# Altium PCB ISS_PCB.PcbDoc (part 1 of 4)
Units mm, origin at the board's own origin, x right, y up, seen from the top; angles counter-clockwise.
Board outline 90 x 90 mm, 4 copper layers (Signal+Parts, Power, GND, Signal), stack 1.591 mm thick; 230 components, 176 nets, 945 pads, 541 vias.
Unrouted connection lines stored in the file: 132.
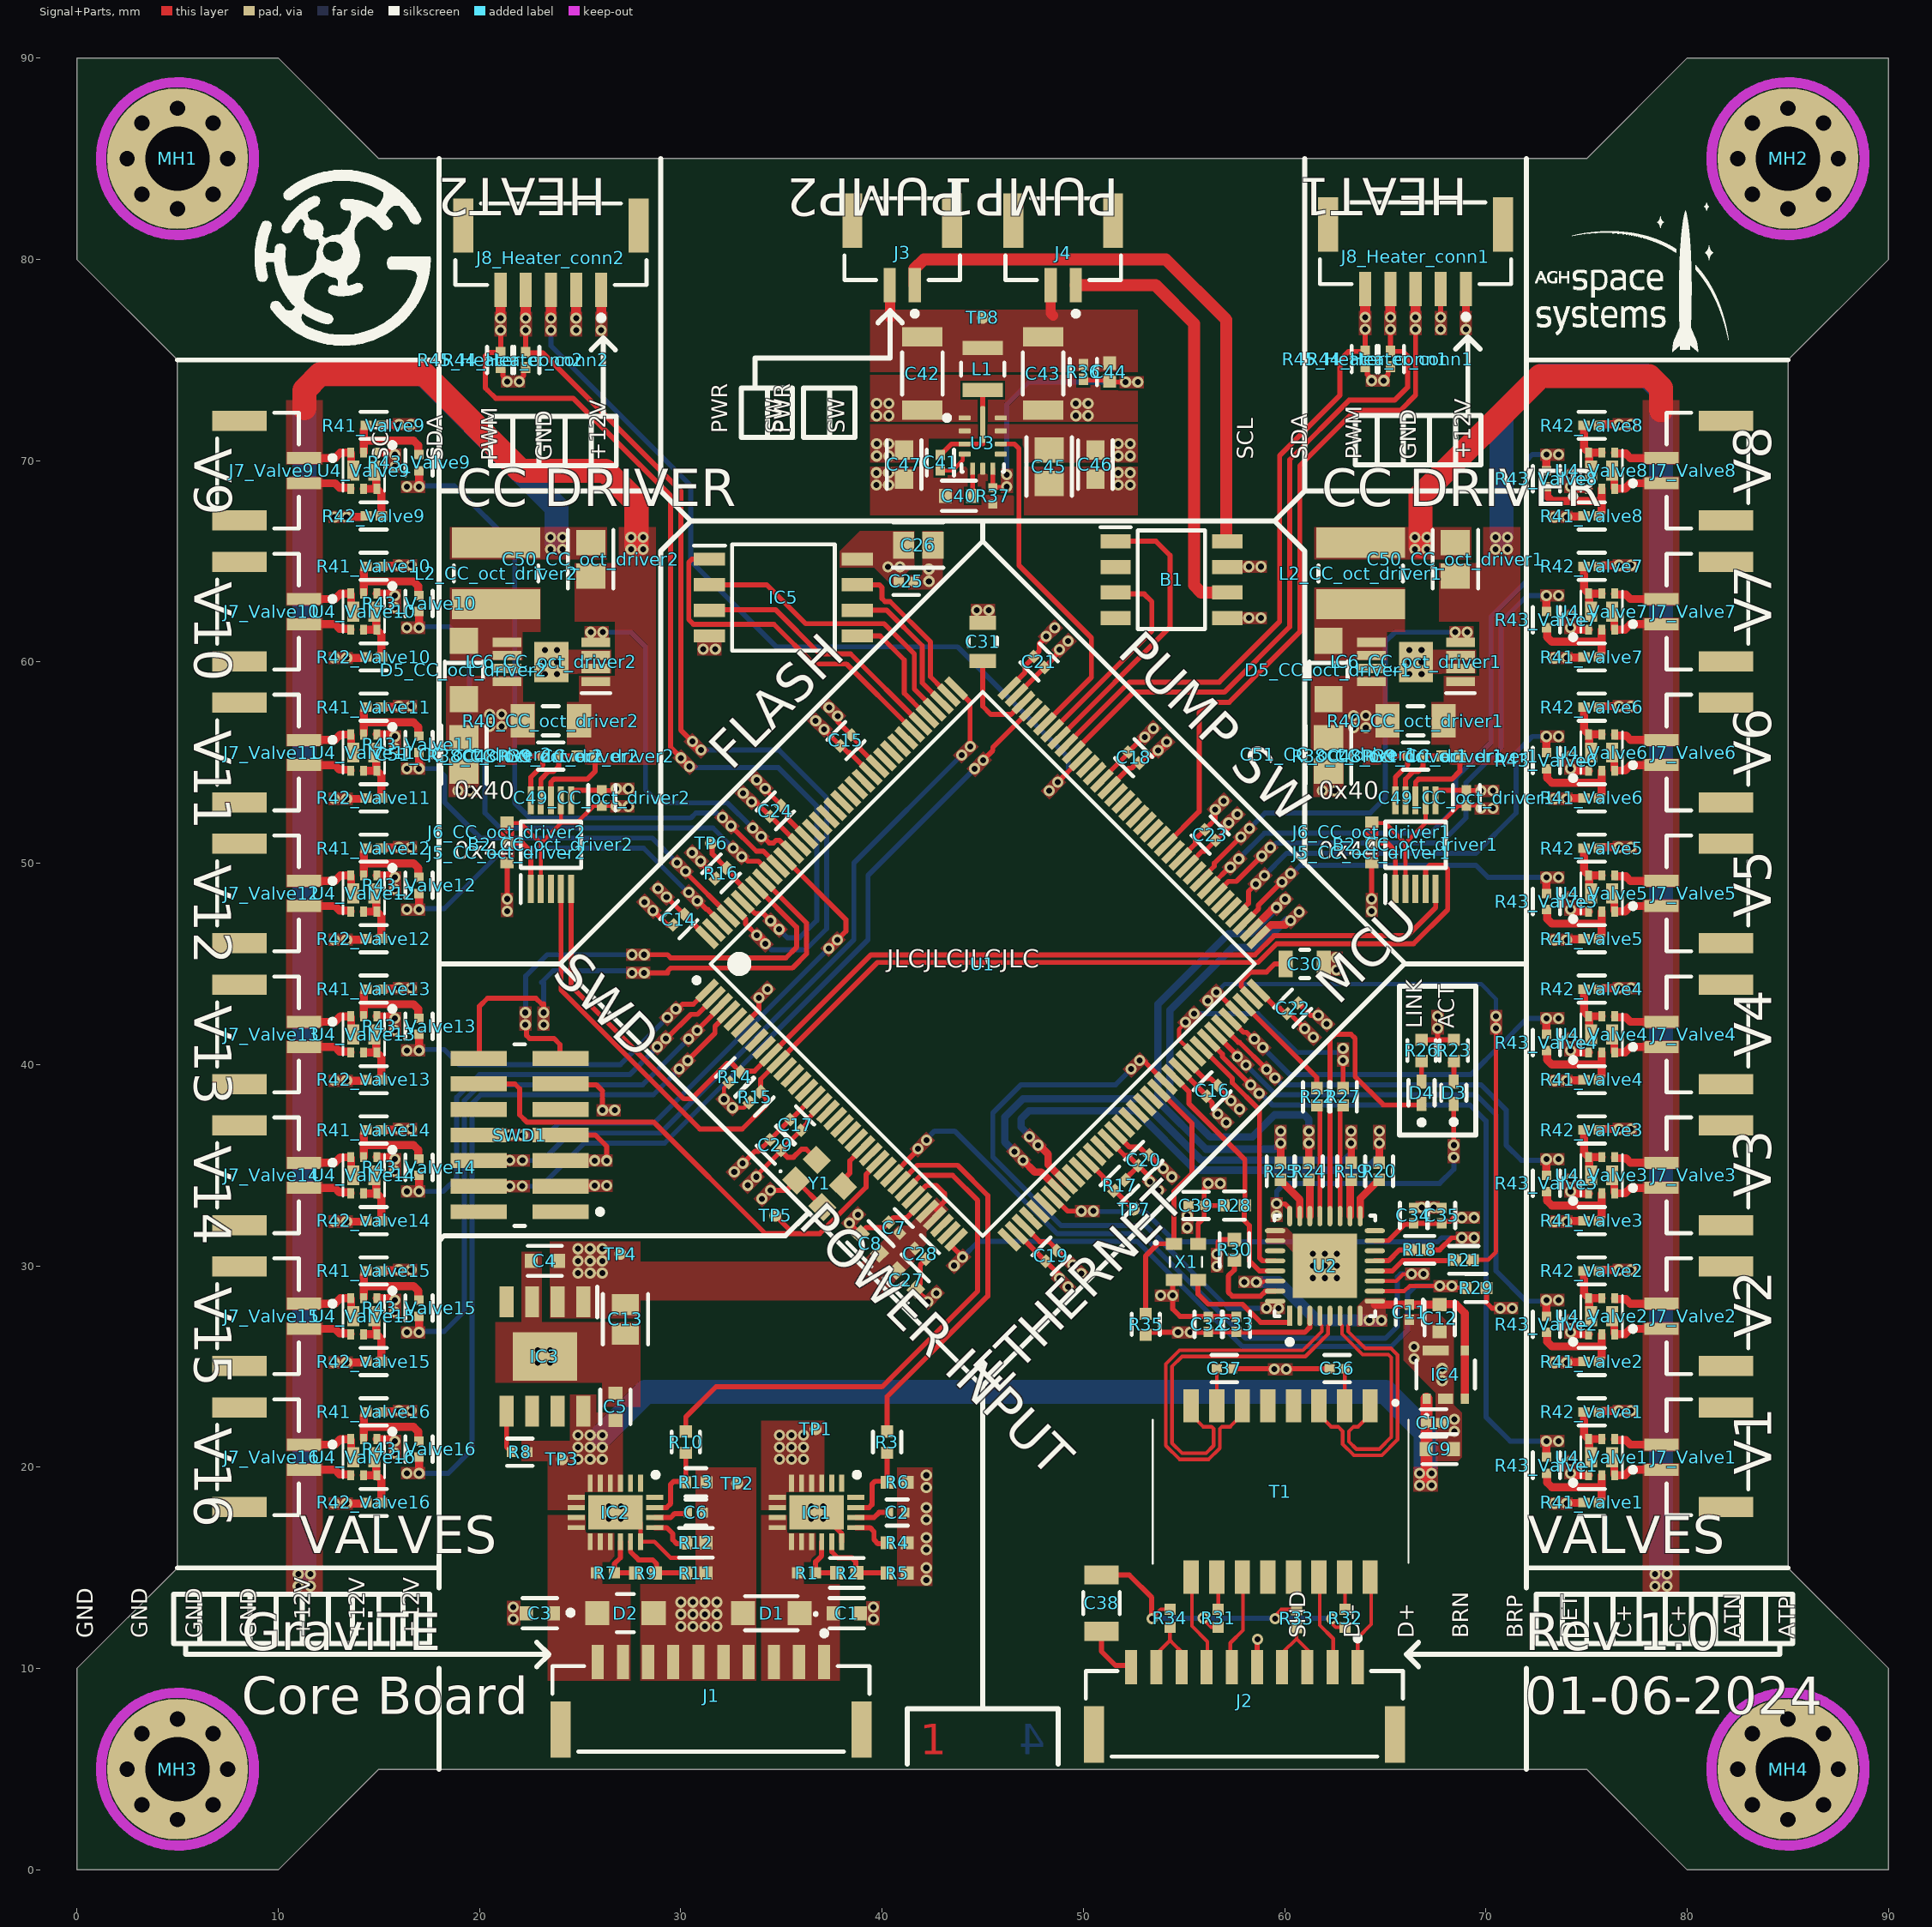
[diagram p0: Signal+Parts view]
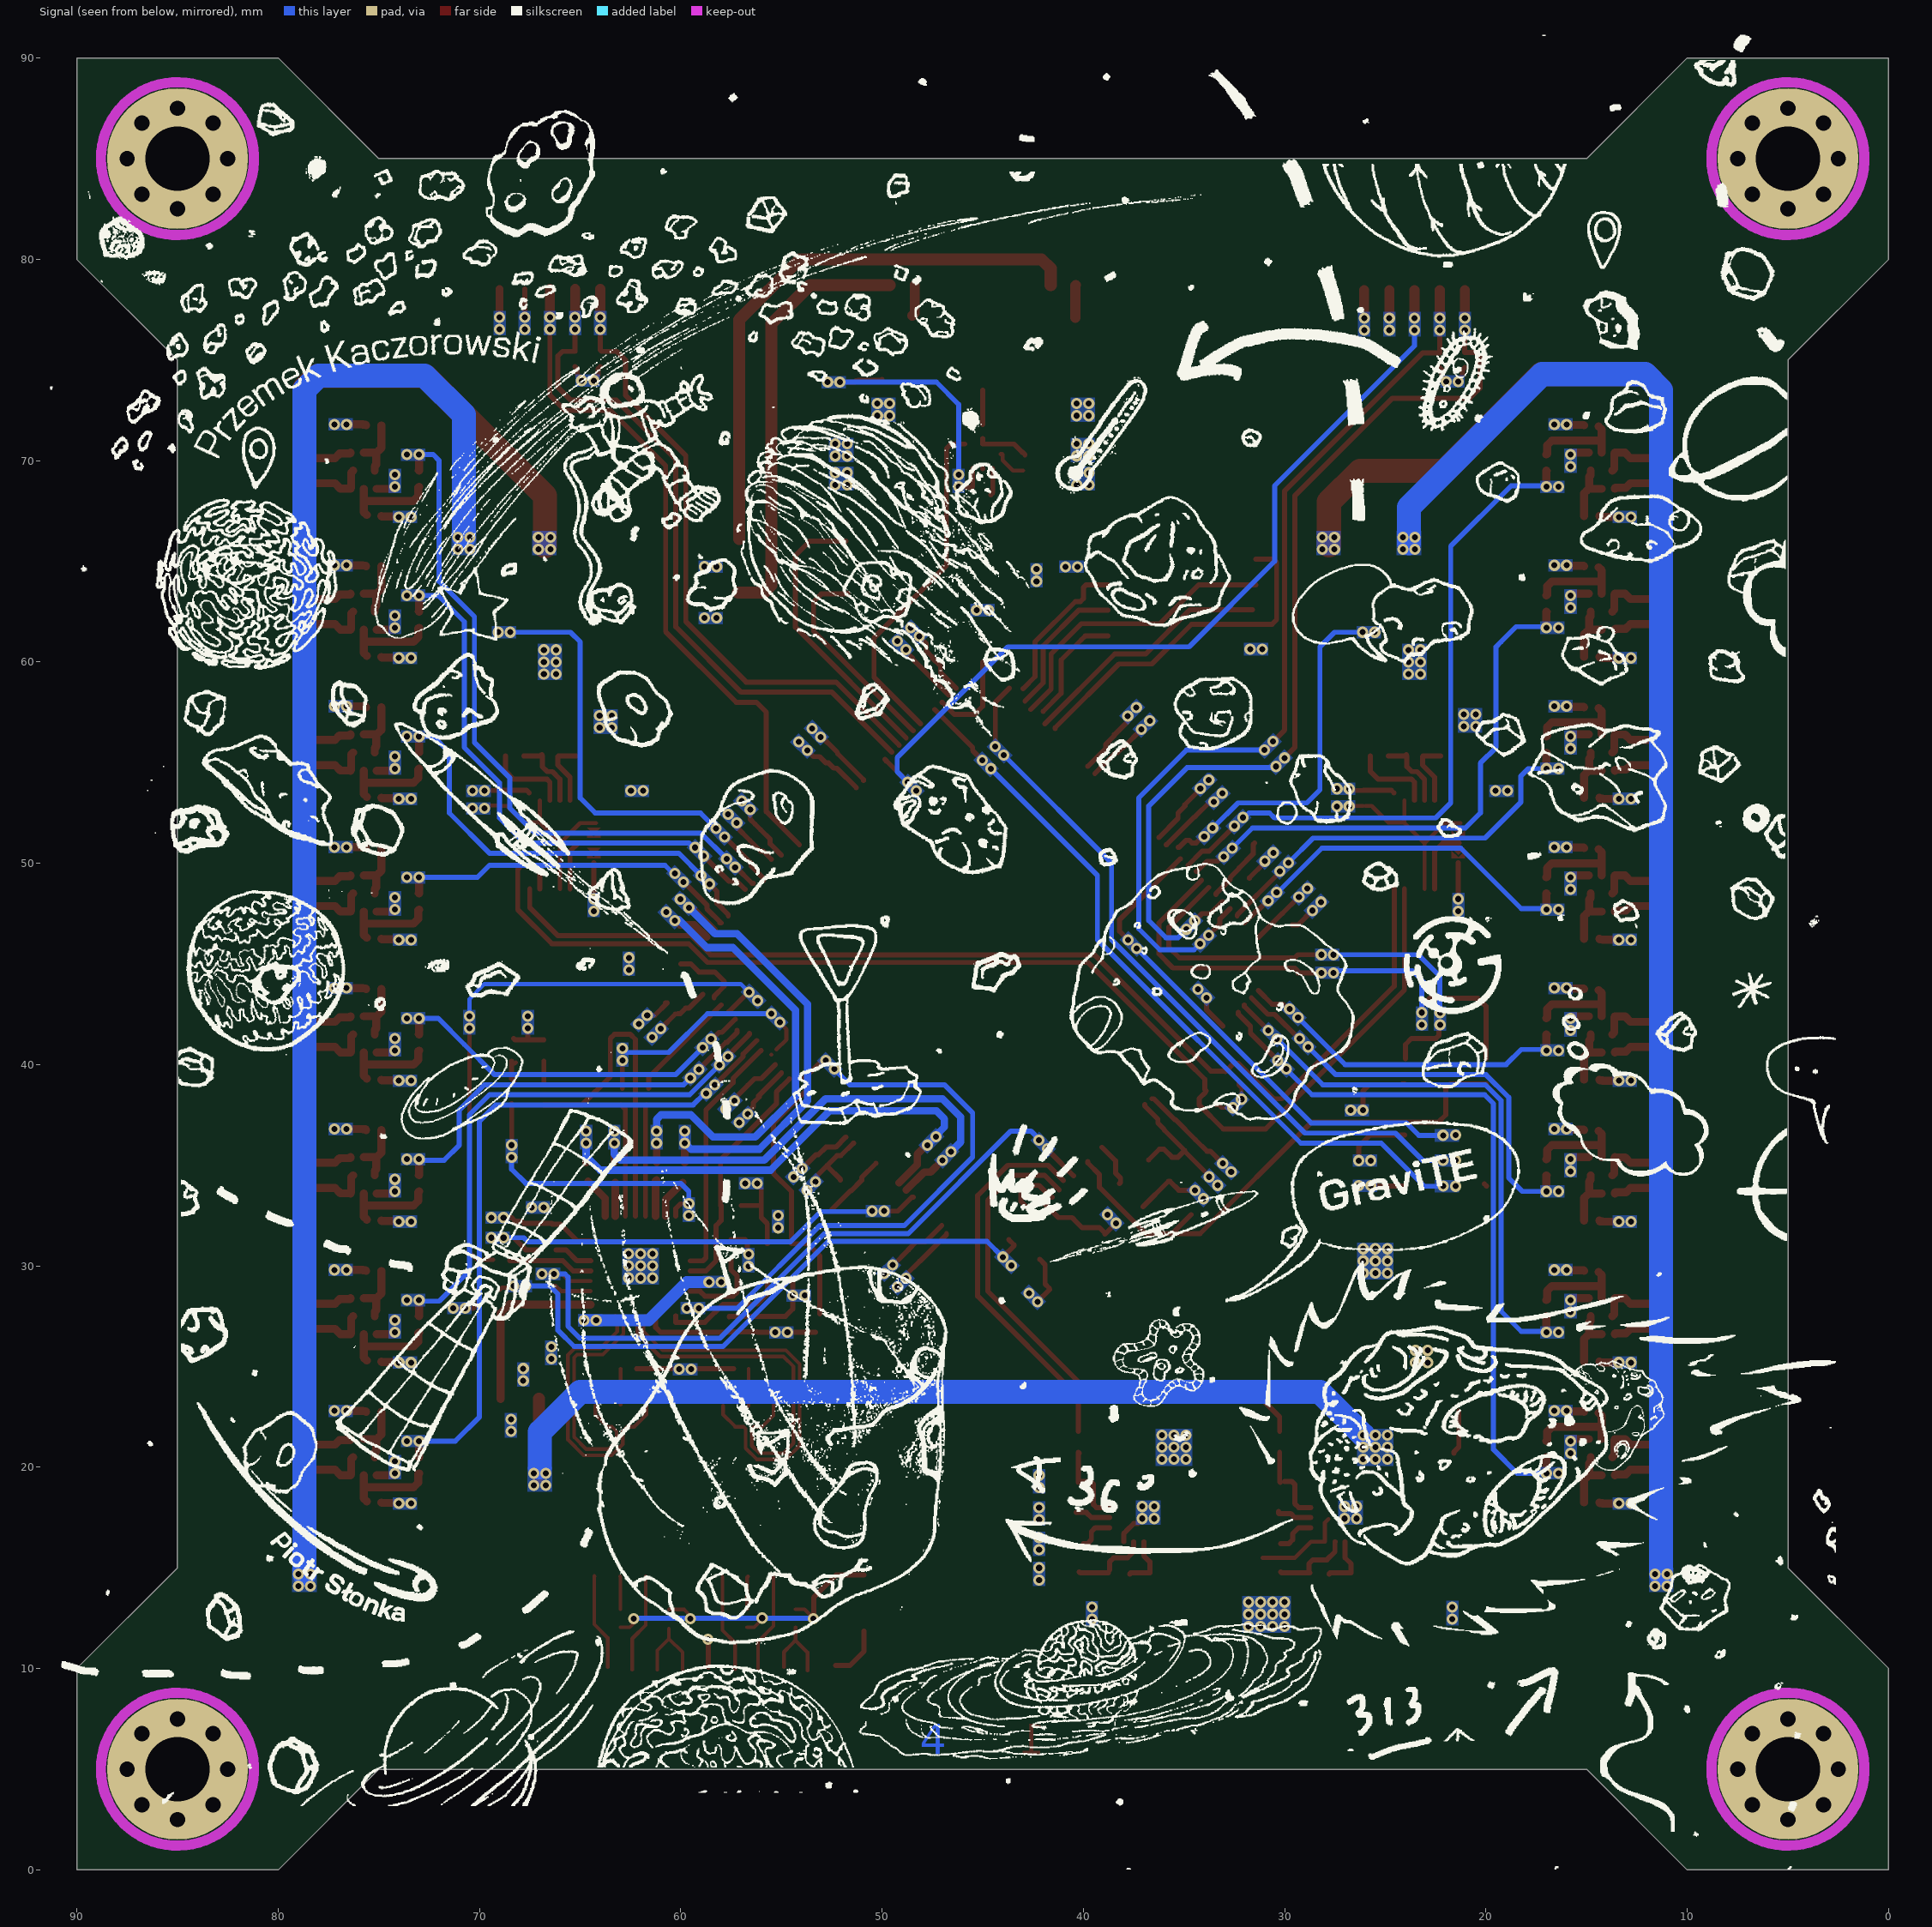
[diagram p1: Signal view, seen from below]
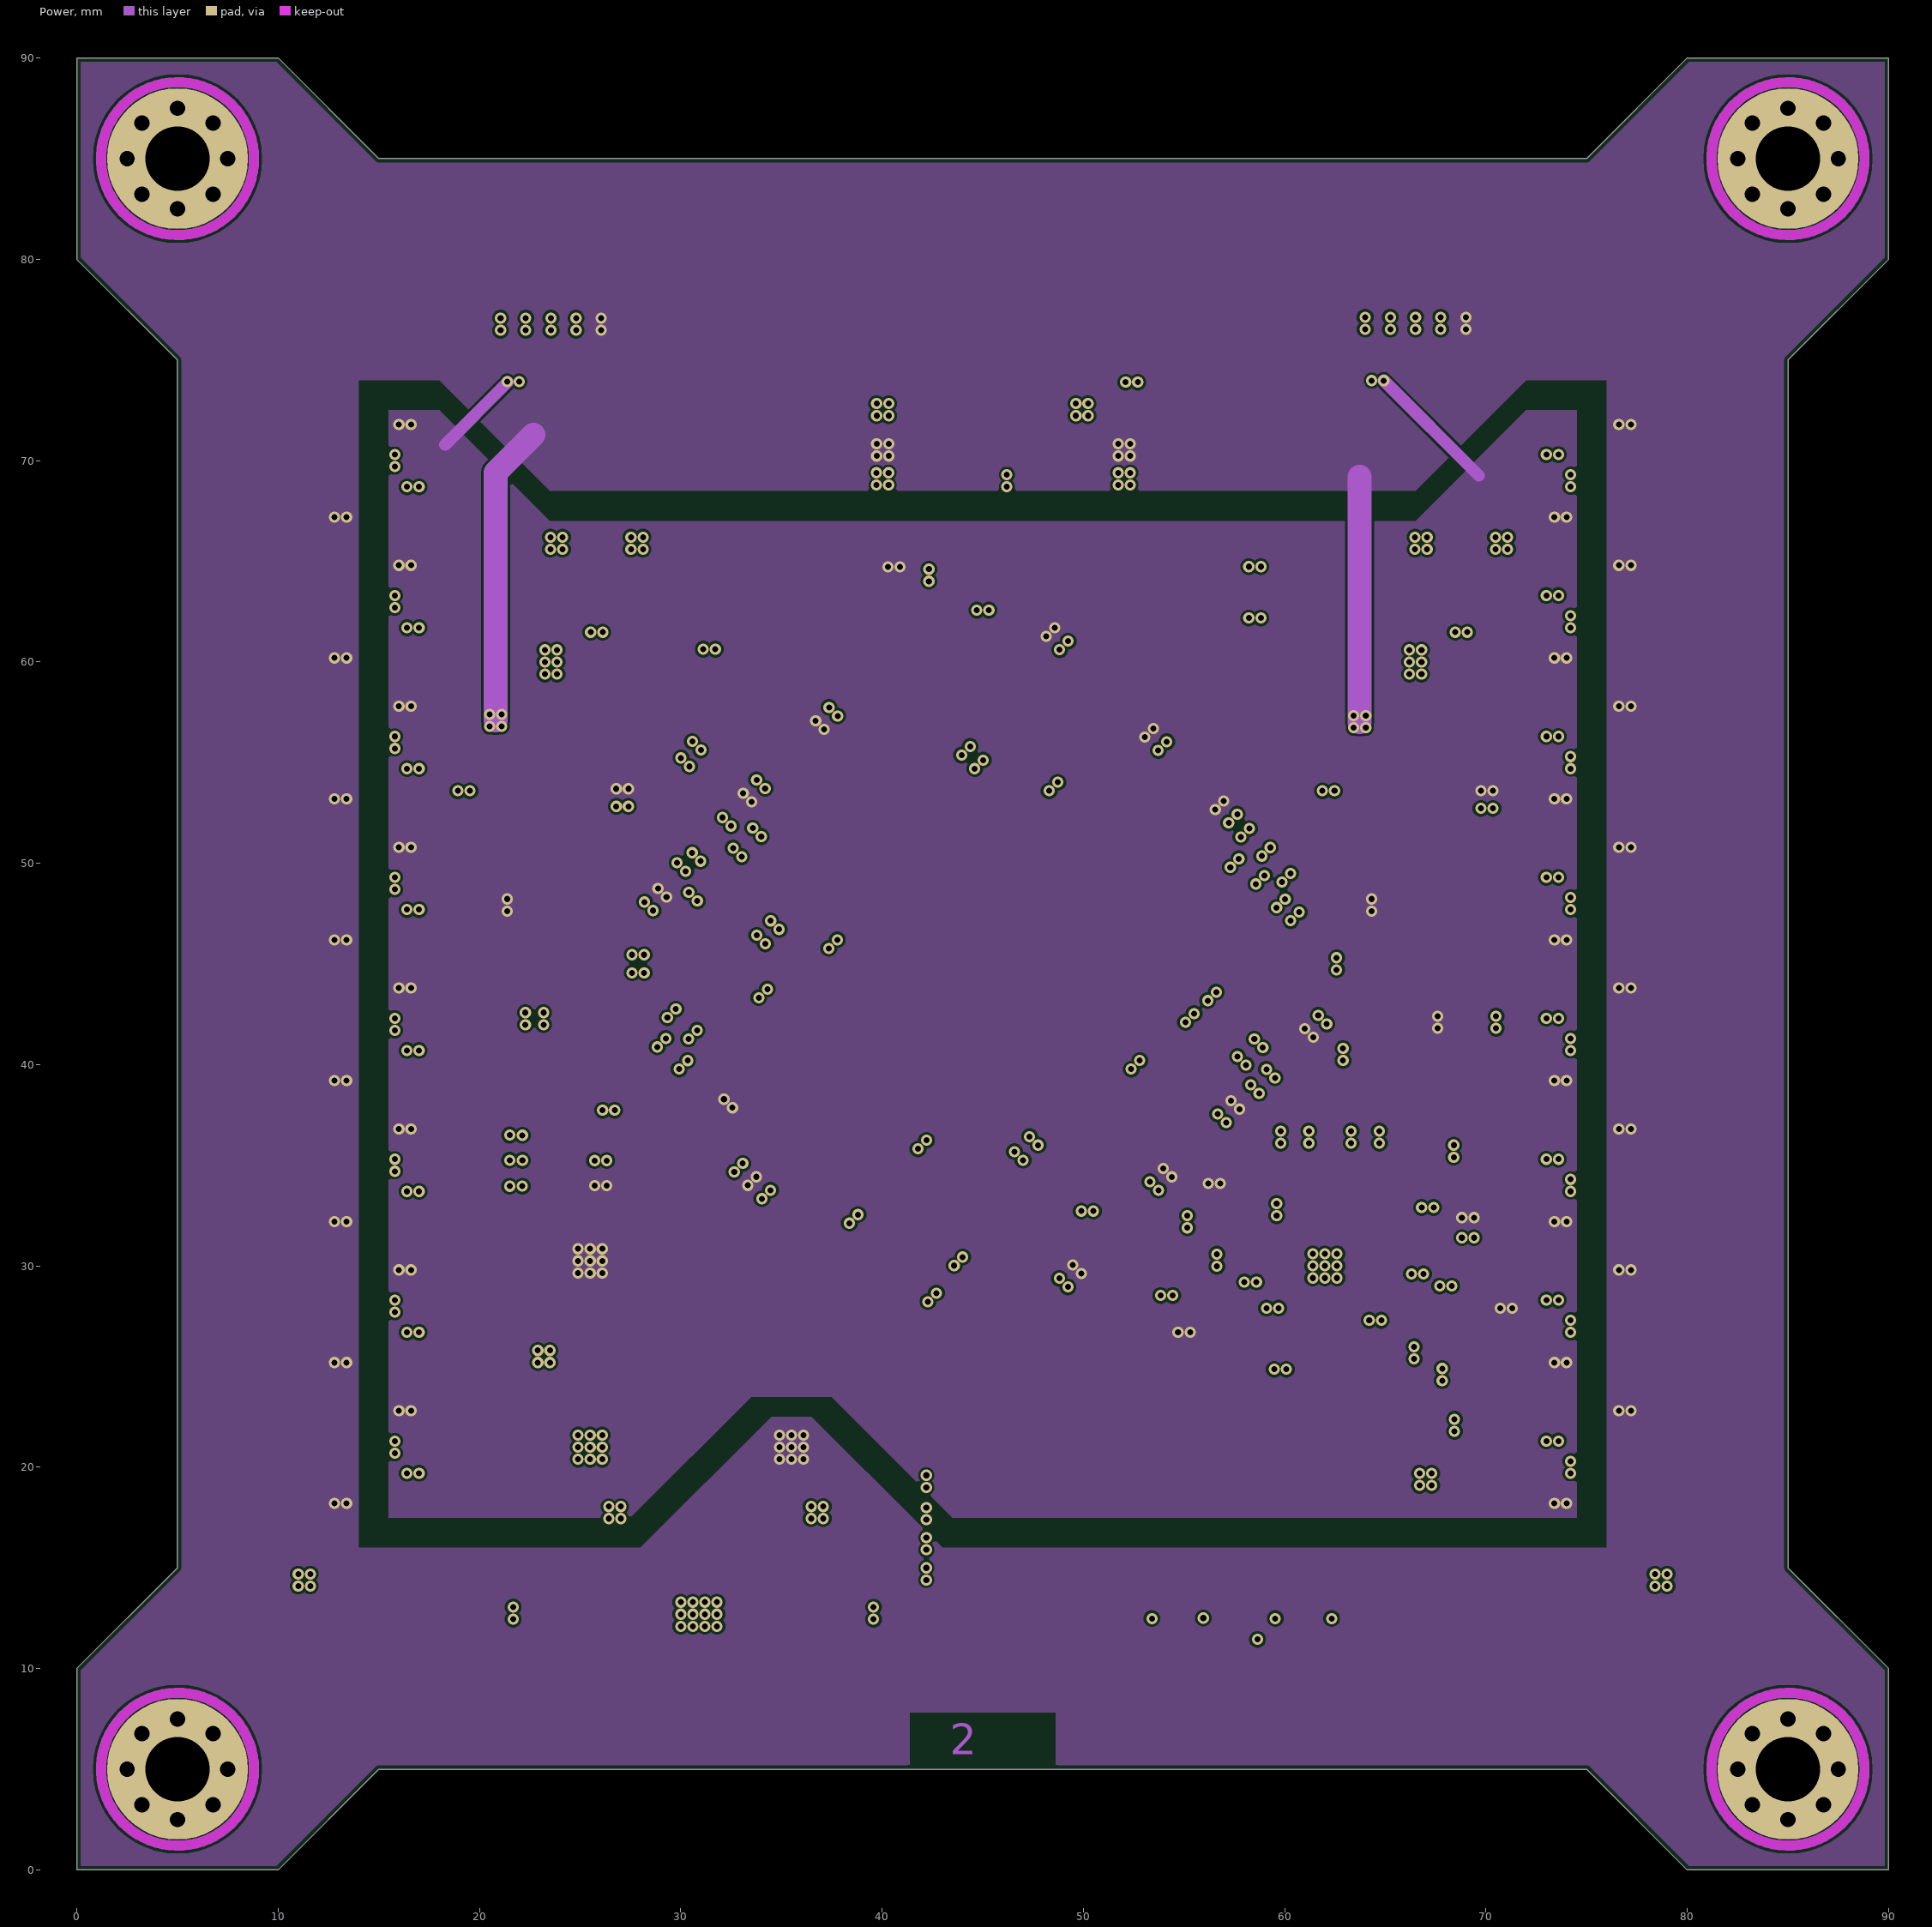
[diagram p2: Power]